# Altium PCB MB1428.PcbDoc (part 3 of 7)
Units mm, origin at the board's own origin, x right, y up, seen from the top; angles counter-clockwise.
Board outline 55.88 x 152.4 mm, 4 copper layers (Top Layer, Signal Layer 1, Signal Layer 2, Bottom Layer), stack 1.614 mm thick; 396 components, 227 nets, 1346 pads, 1469 vias.
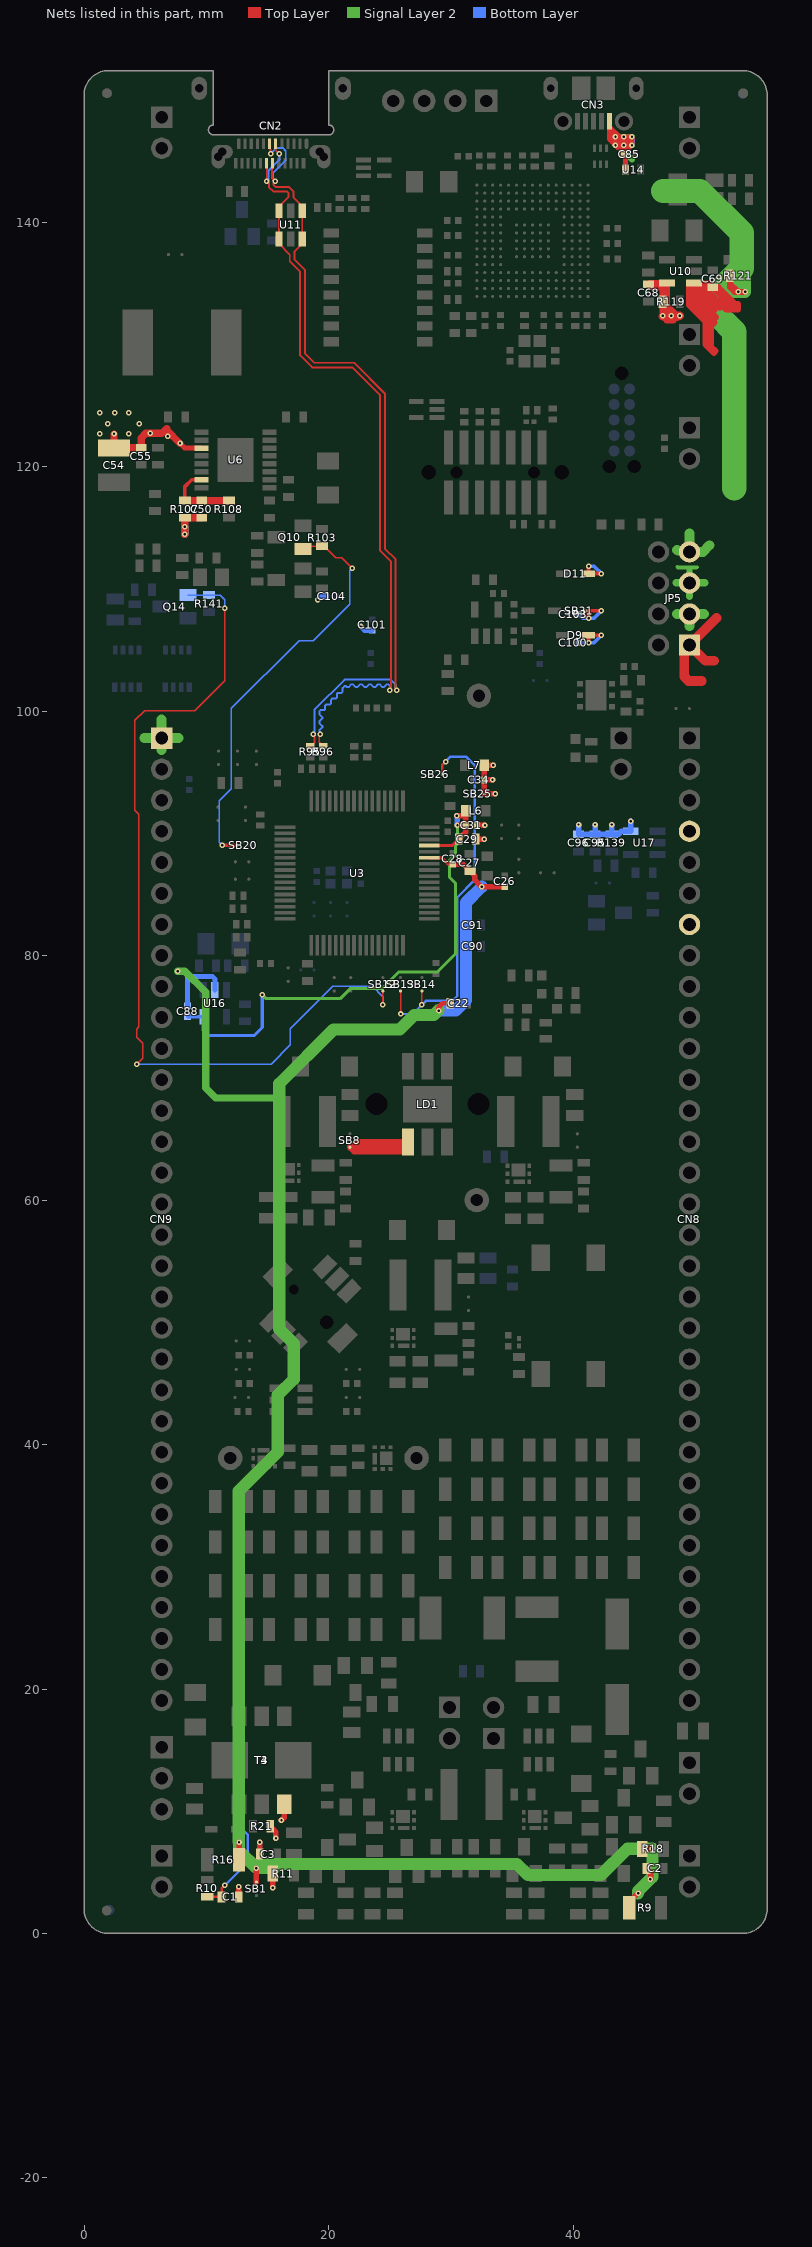
[diagram p5: the nets of this part, all layers, seen from the top]

## Via types
v1: diameter 0.45, hole 0.2, Top Layer to Bottom Layer, tented both sides, 1460 vias
v2: diameter 0.6, hole 0.2, Top Layer to Bottom Layer, tented both sides, 9 vias

## Nets (pads, with @x,y where several pads share a name; then routed paths per layer and width w, separated by ;. In a path a pad name is that pad's centre, name@x,y a point inside that pad or via, vN(x,y) a via of type N, cw(c..) or ccw(c..) an arc to the next point about the centre after c; other vN are vias at no path point) (continued)
5V_USB_CHGR: C68.2 C85.2 CN3.1 D11.1 JP5.7 R119.2 R121.2 U10.5 U14.1 | length 89.5
  Top Layer w0.3: v1(41.27,111.855) 41.27,111.255 v1(42.325,111.255)
  Top Layer w0.4: CN3.1@42.975,148.25 CN3.1@42.975,147.824 ; U14.1@44.3,144.3 44.3,145.4 C85.2@44.15,145.55 C85.2@44.15,145.625 ; 42.975,147.475 CN3.1@42.975,147.824 ; 42.975,147.475 43.2,147.25 ; 42.975,147.475 42.975,146.8 43.2,146.575 ; CN3.1@42.975,147.824 43.824,146.975 ; 43.2,146.575 43.2,147.25 ; 43.2,146.575 v1(43.475,146.3) ; 43.2,147.25 v1(43.475,146.975) ; v1(43.475,146.3) C85.2@44.15,145.625 ; v1(43.475,146.3) v1(44.15,146.975) ; v1(43.475,146.3) v1(44.15,146.3) ; v1(43.475,146.3) v1(43.475,146.975) ; v1(43.475,146.975) 43.824,146.975 ; 43.824,146.975 v1(44.15,146.975) ; C85.2@44.15,145.625 C85.2@44.15,145.638 ; C85.2@44.15,145.638 v1(44.15,146.3) ; C85.2@44.15,145.638 v1@44.812,146.3 ; v1(44.15,146.3) v1@44.812,146.3 ; v1(44.15,146.3) v1(44.15,146.975) ; v1(44.15,146.975) v1(44.825,146.3) ; v1(44.15,146.975) v1(44.825,146.975) v1(44.825,146.3) ; v1@44.812,146.3 v1(44.825,146.3)
  Top Layer w0.5: R121.2@52.83,135.625 52.83,134.98 ; v1(54.08,134.305) v1(53.505,134.305) ; v1(47.33,132.36) v1@48.025,132.36 ; v1(47.33,132.36) 47.33,132.302 47.657,131.975 48.209,131.975 48.419,132.185 48.55,132.185 ; v1(47.33,132.36) R119.2@47.33,133.055 ; R119.2@47.33,133.055 v1@48.025,132.36 ; R119.2@47.33,133.055 R119.2@47.33,133.5 R119.2@47.33,133.925 ; R119.2@47.33,133.925 47.33,134.65 ; R119.2@47.33,133.925 47.705,134.3 ; 47.33,134.65 46.455,134.65 C68.2@46.18,134.925 46.28,135.025 U10.5@47.705,135.025 ; 47.33,134.65 U10.5@47.705,135.025 ; 47.705,134.3 47.705,133.17 v1@48.515,132.36 ; 47.705,134.3 U10.5@47.705,135.025 ; v1@48.025,132.36 v1@48.515,132.36 ; v1@48.515,132.36 48.725,132.36 48.715,132.35 48.55,132.185 ; v1@48.515,132.36 48.525,132.35 48.55,132.325 48.55,132.185 ; 52.83,134.98 52.83,134.705 53.23,134.305 v1(53.505,134.305) ; 52.83,134.98 v1(53.505,134.305)
  Top Layer w0.7: v1@47.33,132.302 47.378,132.35 v1(48.025,132.35) 48.525,132.35 48.715,132.35 v1(48.725,132.35)
  Signal Layer 2 w0.5: 44.825,145.125 43.475,146.475 v1(43.475,146.975) ; v1(44.825,146.975) v1(44.15,146.975) ; v1(43.475,146.975) v1(44.15,146.975) ; v1(43.475,146.975) v1(44.15,146.3) v1(44.825,146.3) v1(44.15,146.975)
  Signal Layer 2 w0.8: 48.515,113.18 48.57,113.125 49.435,113.125 JP5.7@49.53,113.03 ; 49.53,114.555 JP5.7@49.53,113.03 ; 51.175,113.575 50.63,113.03 JP5.7@49.53,113.03
  Signal Layer 2 w1: 51.875,134.3 51.88,134.305 v1(53.505,134.305) v1(54.08,134.305) 54.08,135.945 53.8,136.225
  Signal Layer 2 w2: 47.4,142.55 50.375,142.55 53.8,139.125 53.8,136.225 51.88,134.305 ; 51.875,134.3 51.875,132.365 53.2,131.04 53.2,118.225
  Bottom Layer w0.3: v1(41.27,111.855) 41.725,111.855 v1(42.325,111.255)
  Bottom Layer w0.5: v1(47.33,132.36) 48.715,132.36 v1(48.725,132.35) ; v1(53.505,134.305) v1(54.08,134.305) ; v1(43.475,146.975) v1(43.475,146.3) v1(44.15,146.3) ; v1(43.475,146.975) v1(44.15,146.975) ; v1(43.475,146.975) v1(44.15,146.3) ; v1(44.15,146.3) v1(44.825,146.3) ; v1(44.15,146.975) v1(44.825,146.975) v1(44.825,146.3) ; v1(44.15,146.975) v1(44.825,146.3)
5V_USB_STLK: C69.2 JP5.1 U10.1 | length 46.6
  Top Layer w0.5: 50.063,133.013 49.905,133.17 U10.1@49.905,135.025 ; 50.17,134.538 50.17,134.23 ; 51.5,131.675 51.288,131.887 ; 51.525,129.312 50.855,129.983 50.855,131.871 49.512,133.214 49.512,134.938 49.6,135.025 U10.1@49.905,135.025 ; 51.563,131.787 51.288,132.062 ; 51.587,132.813 50.17,134.23 ; 51.637,129.475 51.288,129.825 51.288,131.887 ; 51.7,132.212 50.17,133.742 ; 52.038,133.025 51.905,133.025 50.695,134.235 ; 53.45,133.112 53.258,133.305 ; U10.1@49.905,135.025 U10.1@50.17,134.76 ; U10.1@49.905,135.025 U10.1@50.525,135.025 ; 50.17,133.18 51.288,132.062 ; 50.17,133.18 50.17,133.742 ; 50.17,133.18 50.17,133.005 51.288,131.887 ; 50.17,133.742 50.17,134.23 ; 50.17,134.23 U10.1@50.17,134.76 ; U10.1@50.17,134.76 50.695,134.235 ; U10.1@50.525,135.025 51.08,135.025 C69.2@51.43,134.675 ; U10.1@50.525,135.025 50.875,134.675 C69.2@51.43,134.675 ; 50.695,134.235 51.165,134.235 52.55,132.85 53.48,132.85 53.48,133.305 53.258,133.305 ; 51.288,131.887 51.288,132.062 ; C69.2@51.43,134.675 51.887,134.675 53.258,133.305 ; C69.2@51.43,134.675 52.8,133.305 53.258,133.305
  Top Layer w0.8: 50.538,102.475 49.45,102.475 49.1,102.825 49.1,104.98 JP5.1@49.53,105.41 ; 51.55,104.125 50.815,104.125 JP5.1@49.53,105.41 ; 51.75,107.63 JP5.1@49.53,105.41
5V_USBPD: C50.2 C54.2 C55.2 C103.2 C104.2 JP5.5 R107.2 SB31.1 U6.3 | length 24.6
  Top Layer w0.3: v1(41.27,107.605) 41.27,108.205 v1(42.325,108.205)
  Top Layer w0.4: v1(7.85,121.9) 8.225,121.525 U6.3@9.625,121.525
  Top Layer w0.6: v1(2.45,122.675) C54.2@2.45,121.525 2.475,121.55 C55.2@4.675,121.55 4.675,122.35 5.05,122.725 v1(5.425,122.725) 6.375,122.725 6.775,123.125 6.775,122.975 v1(7.85,121.9) ; v1(8.25,114.475) v1(8.25,115.075) R107.2@8.25,115.825 C50.2@9.625,115.825
  Signal Layer 2 w0.3: 48.525,111.8 48.57,111.755 50.058,111.755 50.078,111.775 50.175,111.775
  Signal Layer 2 w0.5: JP5.5@49.53,110.49 49.53,111.61 49.575,111.655
  Signal Layer 2 w0.6: 48.425,110.49 JP5.5@49.53,110.49 ; 49.53,109.375 JP5.5@49.53,110.49 ; 50.79,110.49 JP5.5@49.53,110.49
  Bottom Layer w0.3: C103.2@40.475,107.925 40.795,107.605 v1(41.27,107.605) ; v1@41.265,107.6 v1(41.27,107.605) ; v1(42.325,108.205) 41.725,107.605 v1@41.27,107.605
  Bottom Layer w0.4: v1(19.1,109.1) 19.4,109.4 C104.2@19.8,109.4
  Bottom Layer w0.45: v1@8.225,114.45 v1(8.25,114.475)
  Bottom Layer w0.6: v1(8.25,114.475) v1(8.25,115.075)
  other v1: 6.85,122.5 1.275,122.675 3.65,122.675 1.925,123.525 4.525,123.525 1.275,124.425 2.5,124.425 3.65,124.425
5V_USBPD_1A_PROTECT: Q10.1 R103.2 SB20.1 | length 34
  Top Layer w0.12: Q10.1@17.925,113.275 18.15,113.5 R103.2@19.475,113.5 19.655,113.5 20.592,112.563 21.087,112.563 v1(21.95,111.7)
  Top Layer w0.3: v1(11.3,89.025) SB20.1@12.475,89.025
  Bottom Layer w0.12: v1(11.3,89.025) 11.05,89.275 11.05,92.65 12.05,93.65 12.05,100.236 17.589,105.775 18.75,105.775 21.715,108.74 21.715,111.465 v1(21.95,111.7)
5V_VIN: C100.2 C101.2 CN9.1 D9.1 JP5.3 | length 13.4
  Top Layer w0.3: v1(41.27,105.605) D9.1@41.27,106.205 v1(42.325,106.205)
  Signal Layer 2 w0.8: 4.925,97.8 CN9.1@6.325,97.8 ; 6.325,96.825 CN9.1@6.325,97.8 ; 6.325,99.325 CN9.1@6.325,97.8 ; 7.725,97.8 CN9.1@6.325,97.8 ; 48.515,107.95 JP5.3@49.53,107.95 ; 49.53,106.94 JP5.3@49.53,107.95 ; 50.725,107.95 JP5.3@49.53,107.95
  Bottom Layer w0.25: C100.2@40.475,105.6 C100.2@40.48,105.605
  Bottom Layer w0.3: C100.2@40.48,105.605 v1(41.27,105.605) 41.725,105.605 v1(42.325,106.205)
  Bottom Layer w0.4: v1(22.625,106.925) 22.95,106.6 C101.2@23.575,106.6
AGND: C1.1 C2.1 C3.1 C22.1 C26.1 C27.1 C28.2 C29.1 C31.1 C34.2 C88.1 C90.1 C91.1 C95.1 C96.1 CN8.4 L7.2 R9.1 R11.1 R16.2 R18.1 R21.2 R139.1 SB1.1 SB25.2 T3.3 T4.3 U3.27 U16.2 U17.5 | length 192.4
  Top Layer w0.25: U3.27@28.239,88.004 29.264,88.004 29.789,87.479 C28.2@30.164,87.479
  Top Layer w0.4: v1(29,75.5) 29,75.775 29.325,76.1 C22.1@29.95,76.1
  Top Layer w0.45: C1.1@12.65,3 v1(12.65,3.825) ; R16.2@12.675,6.025 v1(12.675,7.45) ; SB1.1@14.1,4.2 v1(14.1,5.35) ; C3.1@14.375,6.5 v1(14.375,7.475) ; R21.2@15.225,8.775 15.7,8.3 v1(15.7,7.8) ; v1(15.425,3.75) R11.1@15.425,4.9 ; v1(16.15,9.275) 16.175,9.275 16.375,9.475 T3.3@16.375,10.575 ; C28.2@30.439,87.479 30.989,87.479 C27.1@31.564,86.904 31.964,86.504 31.964,86.191 v1(32.526,85.629) C26.1@34.414,85.629 ; C29.1@32.05,89.525 v1(32.75,89.525) ; C31.1@32.125,90.65 v1(32.8,90.65) ; v1(33.414,94.379) C34.2@32.739,94.379 ; v1(33.475,95.579) L7.2@32.739,95.579 C34.2@32.739,94.379 ; v1(33.625,93.229) SB25.2@32.739,93.229 C34.2@32.739,94.379 ; R9.1@44.6,2.1 44.6,2.575 v1(45.325,3.3) ; R18.1@45.675,6.925 v1(46.5,6.925) ; C2.1@46.025,5.325 46.35,5 46.35,4.45 v1(46.325,4.45)
  Signal Layer 2 w0.6: v1(7.65,78.725) 8.25,78.725 9.95,77.025 9.95,69.175 10.775,68.35 15.975,68.35
  Signal Layer 2 w1: v1@29,75.525 28.609,75.134 27.004,75.134 25.82,73.95 20.4,73.95 15.975,69.525 15.975,68.35 15.975,49.45 17.15,48.275 17.15,45.35 15.85,44.05 15.85,39.4 12.65,36.2 12.675,36.175 12.65,36.15 12.65,7.475 v1(12.675,7.45) 12.675,6.775 v1(14.1,5.35) ; v1(45.325,3.3) 45.325,3.45 v1(46.325,4.45) 46.5,4.625 v1(46.5,6.925) 44.45,6.925 42.3,4.775 36.325,4.775 35.405,5.695 15.945,5.695 ; v1(14.1,5.35) 14.445,5.695 15.945,5.695 ; v1(14.1,5.35) 15.6,5.35 15.945,5.695
  Bottom Layer w0.2: C90.1@31.1,80.75 31.125,80.775 C90.1@31.125,80.825
  Bottom Layer w0.4: v1(7.65,78.725) 8.1,78.725 8.55,78.275 ; C88.1@8.475,75.9 8.475,78.2 8.55,78.275 ; U16.2@10.7,77.2 10.7,78.1 10.525,78.275 8.55,78.275
  Bottom Layer w0.45: v1(40.45,90.725) C96.1@40.45,89.925 C95.1@41.8,89.925 ; v1(41.8,90.725) C95.1@41.8,89.925 ; v1(43.175,90.725) R139.1@43.175,89.925 ; v1(44.725,90.975) U17.5@44.725,90.175 43.975,90.175 43.725,89.925 R139.1@43.175,89.925 ; C95.1@41.8,89.925 R139.1@43.175,89.925
  Bottom Layer w1: v1(29,75.5) 30.4,75.5 31.25,76.35 31.25,84.353 v1(32.526,85.629)
AVDD: C29.2 C31.2 C88.2 CN8.7 L6.2 U3.29 U16.5 | length 46.2
  Top Layer w0.25: U3.29@28.239,89.004 30.129,89.004 C29.2@30.65,89.525
  Top Layer w0.4: L6.2@31.225,91.425 31.225,91.825 L6.2@31.25,91.85
  Top Layer w0.45: v1(30.5,91.425) 31.225,91.425 31.214,91.414 C31.2@31.214,90.65 ; v1(30.55,90.65) C31.2@31.214,90.65 ; C29.2@30.65,89.525 31.214,90.089 C31.2@31.214,90.65 ; C31.2@31.225,90.65 C31.2@31.214,90.65
  Signal Layer 2 w0.25: v1(14.575,76.8) 14.9,76.475 20.95,76.475 21.775,77.3 24.375,77.3 25.725,78.65 28.875,78.65 30.4,80.175 30.4,85.9 29.9,86.4 29.9,87.8 30.4,88.3 30.4,89 30.55,89.15 v1(30.55,90.65)
  Bottom Layer w0.25: C88.2@8.475,75 U16.5@9.75,75 9.75,73.875 10.175,73.45 13.9,73.45 14.575,74.125 v1(14.575,76.8)
  Bottom Layer w0.45: v1(30.5,91.425) 30.55,91.375 v1(30.55,90.65)
BLUE_LED_K: LD1.1 SB8.2 | length 15.3
  Top Layer w0.5: 21.925,64.325 SB8.2@21.75,64.325 22.1,63.975 26.25,63.975 26.6,64.325 LD1.1@26.075,64.325 ; 21.925,64.325 22.35,64.75 LD1.1@26.5,64.75 LD1.1@26.075,64.325 ; 21.925,64.325 LD1.1@26.075,64.325
BUCKBOOST_I_IN_AVG: C1.2 R10.1 SB13.1 SB14.1 SB26.2 | length 116.3
  Top Layer w0.12: SB13.1@25.889,77.104 25.889,75.236 v1(25.9,75.225) ; v1(27.639,75.979) SB14.1@27.639,77.104
  Top Layer w0.2: R10.1@10.075,3 C1.2@11.25,3 11.25,3.675 v1(11.525,3.95) ; SB26.2@29.3,94.825 29.3,95.6 v1(29.575,95.875)
  Bottom Layer w0.2: v1(11.525,3.95) 13.4,5.825 13.4,8.05 12.65,8.8 12.65,36.3 15.875,39.525 15.875,44.125 17.125,45.375 17.125,48.35 15.95,49.525 15.95,69.525 20.35,73.925 25.585,73.925 26.885,75.225 ; v1@25.889,75.225 v1(25.9,75.225) 26.885,75.225 ; v1(29.575,95.875) 29.975,96.275 31.258,96.275 31.95,95.583 31.95,86.175 30.53,84.755 30.53,76.705 30.125,76.3 27.96,76.3 v1(27.639,75.979) 26.885,75.225
BUCKBOOST_USBPD_EN: Q14.1 R141.2 SB12.1 | length 72.9
  Top Layer w0.12: v1(4.327,71.125) 4.818,71.616 4.818,72.812 4.318,73.312 4.318,73.992 4.489,74.163 4.489,91.561 4.157,91.893 4.157,99.24 4.963,100.046 9.071,100.046 11.525,102.5 v1(11.525,108.425) ; v1(24.439,75.979) SB12.1@24.439,77.104
  Bottom Layer w0.12: v1(4.327,71.125) 15.3,71.125 16.875,72.7 16.875,74.025 20.325,77.475 23.6,77.475 24.439,76.636 v1(24.439,75.979) ; Q14.1@8.5,109.5 R141.2@10.225,109.5 11.15,109.5 11.525,109.125 v1(11.525,108.425)
D_N: CN2.A7 CN2.B7 R96.1 U11.3 U11.4 | length 66.5
  Top Layer w0.16: CN2.A7@14.925,144.82 14.982,144.763 14.982,143.407 v1(14.925,143.35) 15.125,143.15 15.125,142.875 15.5,142.5 16.604,142.5 16.739,142.365 16.739,142.097 16,141.358 U11.3@16,141.275 ; CN2.B7@15.675,146.42 15.675,145.9 v1(15.975,145.6) ; U11.3@15.95,141.275 U11.3@15.95,140.925 U11.4@15.95,138.625 15.95,138.225 16.825,137.35 16.825,136.8 17.675,135.95 17.675,129.104 18.665,128.114 21.936,128.114 24.225,125.825 24.225,113.125 25.1,112.25 25.1,101.792 v1(25.008,101.7) ; v1(19.331,98.104) 19.239,98.012 19.239,97.454 R96.1@19.564,97.129
  Bottom Layer w0.16: v1(14.925,143.35) 15.089,143.514 15.089,144.21 15.975,145.096 v1(15.975,145.6) ; v1(19.331,98.104) 19.25,98.185 19.25,98.428 19.5,98.678 19.5,98.775 19.25,99.025 19.25,99.153 19.5,99.403 19.5,99.5 19.25,99.75 19.25,99.978 19.347,100.075 19.65,100.075 19.725,100.15 19.725,100.453 19.728,100.453 19.825,100.55 20.125,100.55 20.203,100.628 20.203,100.928 20.3,101.025 20.6,101.025 20.678,101.103 20.678,101.403 20.775,101.5 21.053,101.5 21.153,101.6 21.153,101.878 21.338,102.063 21.412,102.063 21.511,101.964 21.636,101.964 21.872,102.2 22,102.2 22.236,101.964 22.361,101.964 22.597,102.2 22.725,102.2 22.961,101.964 23.086,101.964 23.322,102.2 23.45,102.2 23.686,101.964 23.811,101.964 24.047,102.2 24.175,102.2 24.411,101.964 24.536,101.964 24.772,102.2 24.904,102.2 25.1,102.004 25.1,101.792 v1(25.008,101.7)
D_P: CN2.A6 CN2.B6 R95.1 U11.1 U11.6 | length 67.5
  Top Layer w0.16: CN2.B6@15.175,146.42 15.175,146.019 15.244,145.95 15.244,145.631 v1(15.275,145.6) ; CN2.A6@15.425,144.82 15.368,144.763 15.368,143.607 v1(15.625,143.35) 15.625,143.264 15.511,143.15 15.511,143.035 15.66,142.886 16.764,142.886 17.125,142.525 17.125,142.033 17.85,141.308 U11.1@17.85,140.925 U11.6@17.85,138.625 17.85,138.225 17.211,137.586 17.211,136.96 18.061,136.11 18.061,129.264 18.825,128.5 22.096,128.5 24.611,125.985 24.611,113.285 25.486,112.41 25.486,101.792 v1(25.578,101.7) ; R95.1@18.514,97.129 18.853,97.468 18.853,98.012 v1(18.761,98.104)
  Bottom Layer w0.16: v1(15.275,145.6) 15.75,146.075 16.25,146.075 16.5,145.825 16.5,145.075 15.475,144.05 15.475,143.5 v1(15.625,143.35) ; v1(18.761,98.104) 18.864,98.207 18.864,100.138 21.312,102.586 25.071,102.586 25.486,102.171 25.486,101.792 v1(25.578,101.7)
FB: C50.1 R107.1 R108.2 U6.7 | length 6.4
  Top Layer w0.3: R107.1@8.25,117.225 8.25,118.375 8.8,118.925 U6.7@9.625,118.925
  Top Layer w0.6: R107.1@8.25,117.225 C50.1@9.625,117.225 10.425,117.225 R108.2@11.85,117.225